# Altium PCB MotorBoard.PcbDoc (part 1 of 2) (continued)
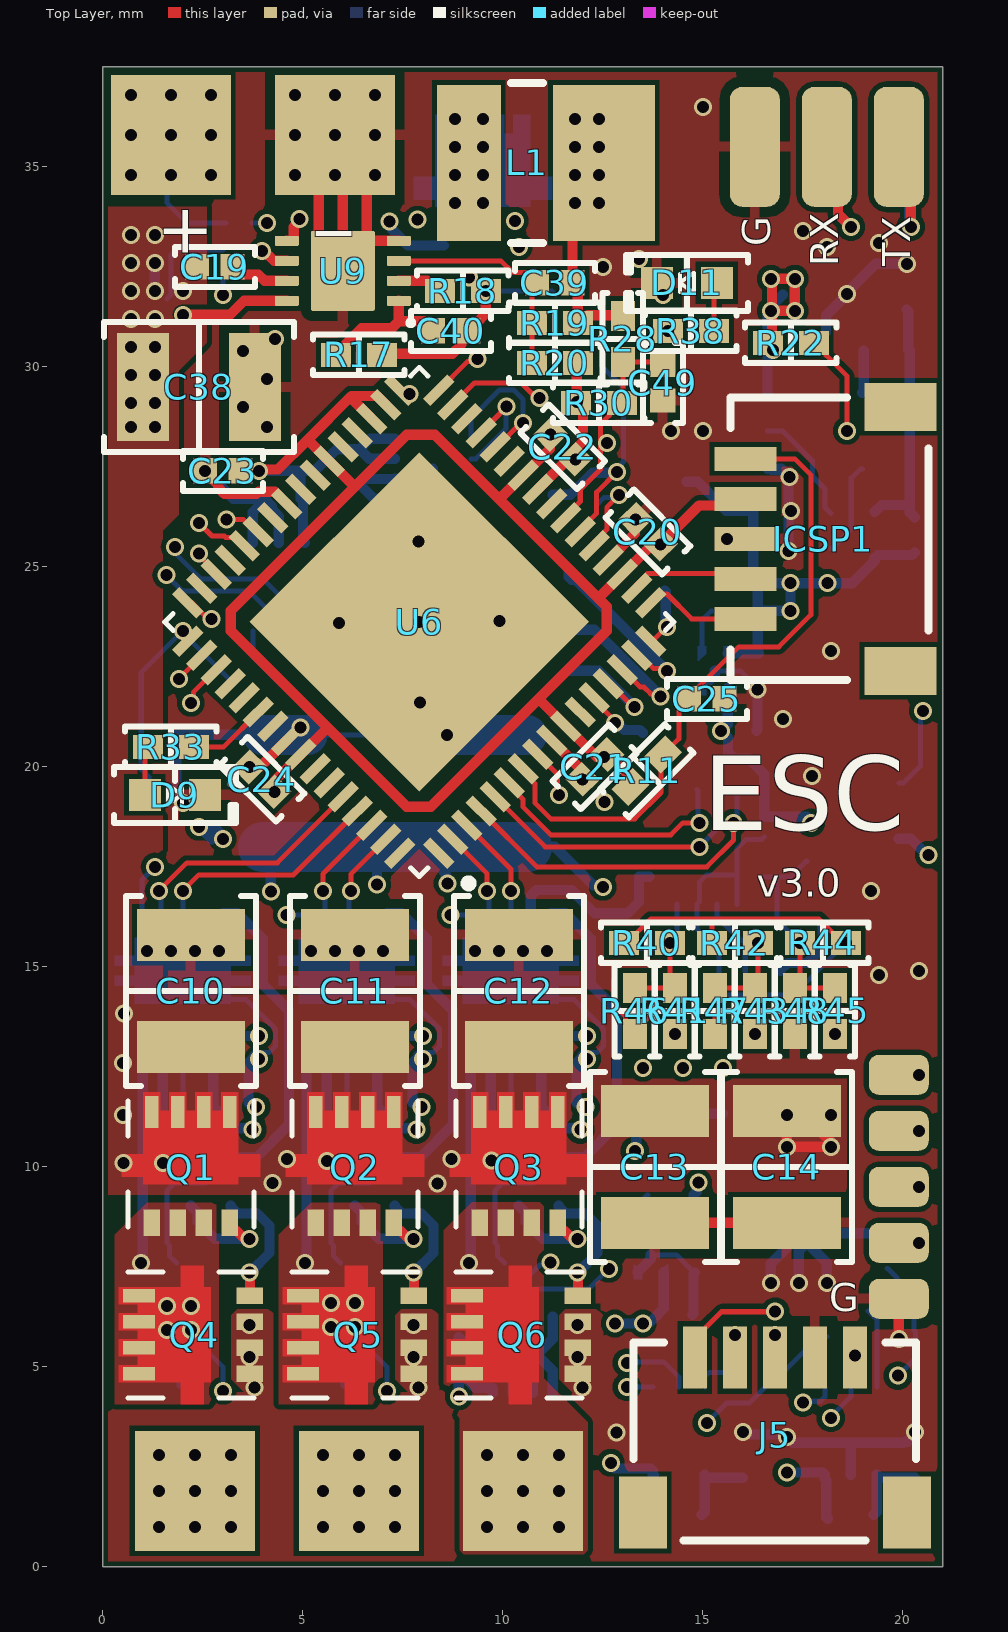
[diagram p0: Top Layer view]
## Layer stack, top to bottom (continued)

## Board outline
0,0 0,37.5 21,37.5 21,0

## Design rules (kind name [scope] priority, off if disabled: settings)
BoardOutlineClearance [((OnLayer('Top Overlay') = False) AND (OnLayer('Bottom Overlay') = False))] p1: gap=0.127 ignorepadtopadclearanceinfootprint=FALSE
Clearance "PolyGon Pour Clearance" [InPolygon] p1: gap=0.127 ignorepadtopadclearanceinfootprint=FALSE
Clearance [All] p2: gap=0.127 ignorepadtopadclearanceinfootprint=FALSE
HoleSize [All] p1: absolutevalues=TRUE maxlimit=50 minlimit=0.2 maxpercent=80.000 minpercent=20.000
HoleToHoleClearance [All] p1: gap=0.2 allowstackedmicrovias=TRUE
MinimumSolderMaskSliver [All] p1: minsoldermaskwidth=0.01
PlaneClearance [All] p1: clearance=0.127
PlaneConnect [All] p1: pad.planeconnectstyle=Direct pad.reliefexpansion=0.508 pad.reliefentries=4 pad.reliefconductorwidth=0.254 pad.reliefairgap=0.254 via.planeconnectstyle=Relief via.reliefexpansion=0.508 via.reliefentries=4 via.reliefconductorwidth=0.254 via.reliefairgap=0.254
PolygonConnect PolygonRelief [IsPolygon and not (IsNamedPolygon('PolygonDirect'))] p1: thpad.connectstyle=Relief thpad.reliefconductorwidth=0.254 thpad.reliefentries=4 thpad.polygonreliefangle="90 Angle" thpad.airgapwidth=0.254 smdpad.connectstyle=Relief smdpad.reliefconductorwidth=0.254 smdpad.reliefentries=4 smdpad.polygonreliefangle="90 Angle" smdpad.airgapwidth=0.254 via.connectstyle=Direct via.reliefconductorwidth=0.254 via.reliefentries=4 via.polygonreliefangle="90 Angle" via.airgapwidth=0.254
PolygonConnect PolygonDirect [All] p2: connectstyle=Direct reliefconductorwidth=0.254 reliefentries=4 polygonreliefangle="90 Angle" airgapwidth=0.254
RoutingVias [All] p1: holewidth=0.3 width=0.45 viastyle="Through Hole" minholewidth=0.3 minwidth=0.4 maxholewidth=0.5 maxwidth=10
SolderMaskExpansion SolderMaskExpansionVia [IsVia] p1: expansion=0.102 istentingtop=TRUE
SolderMaskExpansion [All] p2: expansion=0.102 istentingtop=FALSE
SupplyNets "Schematic Supply Nets_7" [InNet('VIN')] p1: voltage=0.000
SupplyNets "Schematic Supply Nets_5" [InNet('3V3_MCU')] p2: voltage=0.000
SupplyNets "Schematic Supply Nets_4" [InNet('5V')] p3: voltage=0.000
SupplyNets "Schematic Supply Nets_3" [InNet('12V')] p4: voltage=0.000
SupplyNets "Schematic Supply Nets_2" [InNet('GND')] p5: voltage=0.000
SupplyNets "Schematic Supply Nets_1" [InNet('3V3')] p6: voltage=0.000
SupplyNets "Schematic Supply Nets" [InNet('VBAT')] p7: voltage=0.000
Width [All] p1: maxlimit=2 minlimit=0.127 preferedwidth=0.254
25 further rules are at their usual default settings.

## Classes and differential pairs
component class U_Half_Bridges: C1 C2 C3 C4 C5 C6 C7 C8 C9 C18 C37 C42 C43 C44 C51 C52 Q1 Q2 Q3 Q4 Q5 Q6 R1 R2 R3 R4 R5 R6 R7 R8 R9 R10 R12 R13 R14 R15 R16 R32 R34 R40 R41 R42 R43 R44 R45 R46 R47 R48 U1 U2 U3 U7 U8

## Components (designator, comment, footprint, x,y, rotation, side; value= is the part's Value field where it differs from the comment)
C1 "0.1 µF" "CAP 0402_1005" 1.4,7.6 r0 bottom
C2 "1 µF" "CAP 0402_1005" 3.2,11.6 r0 bottom
C3 "0.1 µF" "CAP 0402_1005" 3.2,12.6 r0 bottom
C4 "0.1 µF" "CAP 0402_1005" 5.5,7.6 r0 bottom
C5 "1 µF" "CAP 0402_1005" 7.3,12.6 r0 bottom
C6 "0.1 µF" "CAP 0402_1005" 7.3,11.6 r0 bottom
C7 "0.1 µF" "CAP 0402_1005" 9.6,7.6 r0 bottom
C8 "1 µF" "CAP 0402_1005" 11.4,11.6 r0 bottom
C9 "0.1 µF" "CAP 0402_1005" 11.4,12.6 r0 bottom
C10 "100 µF" "CAP 1210_3225 - 1MM" 2.2,14.4 r270 top
C11 "100 µF" "CAP 1210_3225 - 1MM" 6.3,14.4 r270 top
C12 "100 µF" "CAP 1210_3225 - 1MM" 10.4,14.4 r270 top
C13 "100 µF" "CAP 1210_3225 - 1MM" 13.8,10 r90 top
C14 "100 µF" "CAP 1210_3225 - 1MM" 17.1,10 r90 top
C15 "100 µF" "CAP 1210_3225 - 1MM" 2.4,29.1 r180 bottom
C16 "0.1 µF" "CAP 0402_1005" 6.4,27.5 r90 bottom
C17 "0.1 µF" "CAP 0402_1005" 8.9,5.3 r270 bottom
C18 "0.1 µF" "CAP 0402_1005" 17.1,2.8 r90 bottom
C19 "0.1 µF" "CAP 0402_1005" 2.8,32.5 r0 top
C20 "0.1 µF" "CAP 0402_1005" 13.628,25.875 r315 top
C21 "0.1 µF" "CAP 0402_1005" 12.3,20 r45 top
C22 "0.1 µF" "CAP 0402_1005" 11.5,28 r135 top
C23 "0.1 µF" "CAP 0402_1005" 3,27.4 r0 top
C24 "0.1 µF" "CAP 0402_1005" 3.976,19.688 r315 top
C25 "0.1 µF" "CAP 0402_1005" 15.1,21.7 r0 top
C26 "1 µF" "CAP 0402_1005" 18.2,25.9 r90 bottom
C27 "47 pF" "CAP 0402_1005" 20.3,25.8 r270 bottom
C28 "1 µF" "CAP 0402_1005" 16.7,26.4 r180 bottom
C29 "22 µF" "CAP 0402_1005" 16.7,25.4 r180 bottom
C30 "22µF" "CAP 0805_2012" 17.8,31.8 r180 bottom
C31 "0.1 µF" "CAP 0402_1005" 17.2,30.4 r180 bottom
C32 "0.1 µF" "CAP 0402_1005" 16.4,22.4 r90 bottom
C33 "0.1 µF" "CAP 0402_1005" 15.9,20.9 r180 bottom
C34 "0.1 µF" "CAP 0402_1005" 14.8,7.8 r90 bottom
C35 "0.1 µF" "CAP 0402_1005" 14.3,6.3 r180 bottom
C36 "100 µF" "CAP 1210_3225 - 1MM" 17.6,9.5 r90 bottom
C37 "0.1 µF" "CAP 0402_1005" 12.8,2.9 r90 bottom
C38 "100 µF" "CAP 1210_3225 - 1MM" 2.4,29.5 r180 top
C39 "22pF" "CAP 0402_1005" 11.3,32.1 r0 top
C40 "1nF" "CAP 0402_1005" 8.7,30.9 r0 top
C41 "0.1 µF" "CAP 0402_1005" 17.6,19.2 r270 bottom
C42 "0.1 nF" "CAP 0402_1005" 13.1,15.9 r270 bottom
C43 "0.1 nF" "CAP 0402_1005" 16.5,14.9 r180 bottom
C44 "0.1 nF" "CAP 0402_1005" 17.6,17.2 r90 bottom
C45 "0.1 µF" "CAP 0402_1005" 11.9,29.8 r0 bottom
C46 "100 µF" "CAP 1210_3225 - 1MM" 10.6,19.4 r270 bottom
C47 "100 µF" "CAP 1210_3225 - 1MM" 7.3,19.4 r270 bottom
C48 "100 µF" "CAP 1210_3225 - 1MM" 4,19.4 r270 bottom
C49 "0.1 µF" "CAP 0402_1005" 14,29.6 r90 top
C50 "0.1 µF" "CAP 0402_1005" 4.5,26.7 r180 bottom
C51 "0.1 µF" "CAP 0402_1005" 18.1,6.2 r90 bottom
C52 "0.1 µF" "CAP 0402_1005" 19.6,7.9 r90 bottom
C53 "0.1 µF" "CAP 0402_1005" 1.4,20.8 r0 bottom
D1 "ESDLC3V3L-TP" 0402 12.2,28.7 r270 bottom
D2 "ESDLC3V3L-TP" 0402 10.9,26.8 r0 bottom
D3 "ESDLC3V3L-TP" 0402 12.4,26.25 r90 bottom
D4 "ESDLC3V3L-TP" 0402 13.5,20.5 r90 bottom
D5 "ESDLC3V3L-TP" 0402 13.7,24.4 r0 bottom
D6 "ESDLC3V3L-TP" 0402 11.3,24.9 r0 bottom
D7 "ESDLC3V3L-TP" 0402 11.3,23.6 r0 bottom
D8 "ESDLC3V3L-TP" 0402 11.3,22.4 r0 bottom
D9 "Blue" "LED 0603_1608 GREEN" 1.8,19.3 r0 top value=Green
D10 "ESDLC3V3L-TP" 0402 1.5,19.6 r180 bottom
D11 "Blue" "LED 0603_1608 GREEN" 14.6,32.1 r180 top value=Green
ICSP1 "SM05B-SRSS-TB(LF)(SN)" "JST SM05B-SRSS-TB" 18.1,25.7 r270 top
J5 "SM05B-SRSS-TB(LF)(SN)" "JST SM05B-SRSS-TB" 16.8,3.2 r180 top
L1 "100 µH" "TDK VLCF4028-2" 10.6,35.1 r0 top
L2 "4.7µH" "IND 1008_2520" 14.6,28.4 r270 bottom
Q1 "NVTFS5C680NL" NVTFS015N04CTAG 2.2,10.07 r90 top
Q2 "NVTFS5C680NL" NVTFS015N04CTAG 6.3,10.07 r90 top
Q3 "NVTFS5C680NL" NVTFS015N04CTAG 10.4,10.07 r90 top
Q4 "NVTFS5C680NL" NVTFS015N04CTAG 2.2,5.8 r180 top
Q5 "NVTFS5C680NL" NVTFS015N04CTAG 6.3,5.8 r180 top
Q6 "NVTFS5C680NL" NVTFS015N04CTAG 10.4,5.8 r180 top
Q7 "NVTFS5C680NL" NVTFS015N04CTAG 9.5,34.5 r90 bottom
R1 "10k" "RES 0402_1005" 18.7,1.3 r180 bottom
R2 "2R" "RES 0402_1005" 2.2,9.6 r90 bottom
R3 "10k" "RES 0402_1005" 13.5,11.9 r270 bottom
R4 "10k" "RES 0402_1005" 14.4,1.3 r180 bottom
R5 "15 mOhms" "RES 0805_2012" 1.9,5.4 r90 bottom
R6 "2R" "RES 0402_1005" 3.2,9.6 r90 bottom
R7 "2R" "RES 0402_1005" 6.3,9.6 r90 bottom
R8 "15 mOhms" "RES 0805_2012" 6,5.4 r90 bottom
R9 "10k" "RES 0402_1005" 14.5,11.9 r270 bottom
R10 "10k" "RES 0402_1005" 16,2.8 r270 bottom
R11 "10k" "RES 0402_1005" 13.6,19.9 r225 top
R12 "2R" "RES 0402_1005" 7.3,9.6 r90 bottom
R13 "2R" "RES 0402_1005" 10.4,9.6 r90 bottom
R14 "10k" "RES 0402_1005" 15.5,11.9 r270 bottom
R15 "2R" "RES 0402_1005" 11.4,9.6 r90 bottom
R16 "10k" "RES 0402_1005" 20.3,2.8 r270 bottom
R17 "10k" "RES 0402_1005" 6.4,30.3 r0 top
R18 "10k" "RES 0402_1005" 9,31.9 r180 top
R19 "10k" "RES 0402_1005" 11.3,31.1 r0 top
R20 "10k" "RES 0402_1005" 11.3,30.1 r180 top
R21 "40.2k" "RES 0402_1005" 19.3,25.8 r270 bottom
R22 "10k" "RES 0402_1005" 17.2,30.6 r0 top
R23 "75k" "RES 0402_1005" 19.6,30.4 r0 bottom
R24 "13k" "RES 0402_1005" 20.1,32 r270 bottom
R25 "10k" "RES 0402_1005" 15.8,23.9 r180 bottom
R26 "10k" "RES 0402_1005" 14.2,9.3 r180 bottom
R27 "33k" "RES 0402_1005" 11.9,31.8 r180 bottom
R28 "33k" "RES 0402_1005" 13,30.7 r90 top
R29 "4.7k" "RES 0402_1005" 11.9,30.8 r180 bottom
R30 "10k" "RES 0402_1005" 12.4,29.1 r180 top
R31 "39 mOhms" "RES 1206_3216" 1.6,33.1 r270 bottom
R32 "10k" "RES 0402_1005" 16.4,4.9 r0 bottom
R33 "2k" "RES 0402_1005" 1.7,20.5 r180 top
R34 "10k" "RES 0402_1005" 19.7,6.4 r0 bottom
R35 "10k" "RES 0402_1005" 3.8,22.2 r180 bottom
R36 "0R" "RES 0201_0603" 3.4,33.6 r180 bottom
R37 "0R" "RES 0201_0603" 3,32.6 r270 bottom
R38 "2k" "RES 0402_1005" 14.7,30.9 r0 top
R40 "33 kOhms" "RES 0402_1005" 13.6,15.6 r0 top
R41 "33 kOhms" "RES 0402_1005" 14.3,13.9 r270 top
R42 "33 kOhms" "RES 0402_1005" 15.8,15.6 r0 top
R43 "33 kOhms" "RES 0402_1005" 16.3,13.9 r270 top
R44 "33 kOhms" "RES 0402_1005" 18,15.6 r180 top
R45 "33 kOhms" "RES 0402_1005" 18.3,13.9 r270 top
R46 "10 kOhms" "RES 0402_1005" 13.3,13.9 r90 top
R47 "10 kOhms" "RES 0402_1005" 15.3,13.9 r90 top
R48 "10 kOhms" "RES 0402_1005" 17.3,13.9 r90 top
U1 "UCC27282" VSON-10 2,14.9 r90 bottom
U2 "UCC27282" VSON-10 6.1,14.9 r90 bottom
U3 "UCC27282" VSON-10 10.2,14.9 r90 bottom
U4 "TMP1075" 8_WSON_2x2_0.5mm 10.5,5.3 r270 bottom
U5 "TMP1075" 8_WSON_2x2_0.5mm 8.25,27.45 r180 bottom
U6 "PIC32MK0512MCF064" QFN50P900X900X100-65N 7.911,23.623 r135 top
U7 "INA185" "TI SC70-6 DCK" 14.4,3.4 r90 bottom
U8 "INA185" "TI SC70-6 DCK" 18.7,3.4 r90 bottom
U9 "LM25085" 8_WSON_3x3_0.5mm 6,32.4 r180 top
U10 "AP65211A" TSOT-26-6 17.8,28.4 r0 bottom
U11 "3.3V LDO" XDFN-4 15.3,22.4 r90 bottom
U12 "3.3V LDO" XDFN-4 13.7,7.8 r90 bottom
U13 "4x Comparator" QFN50P300X300X100-16N 15.1,18 r180 bottom
U14 "INA185" "TI SC70-6 DCK" 4.4,24.5 r270 bottom

## Footprints (in the part's own frame and the unit in brackets; to place one, negate y for a bottom-side part, rotate by r counter-clockwise, add the part's x,y. Pads: shape width x height; smd on the part's side, far side on the other; paste and mask are expansions set on the pad)
8_WSON_2x2_0.5mm [mm]
  rrect25% 0.5x0.25 smd: 1(-0.95,0.75) 2(-0.95,0.25) 3(-0.95,-0.25) 4(-0.95,-0.75) 5(0.95,-0.75) 6(0.95,-0.25) 7(0.95,0.25) 8(0.95,0.75)
  rrect5% 0.9x1.6 smd paste-2: 9(0,0)
  silkscreen extent -1.01,1.14 -0.89,1.26, body extent -1,-1 1,1, height 0.75
8_WSON_3x3_0.5mm [mm]
  rrect25% 0.6x0.25 smd: 1(-1.4,0.75) 2(-1.4,0.25) 3(-1.4,-0.25) 4(-1.4,-0.75) 5(1.4,-0.75) 6(1.4,-0.25) 7(1.4,0.25) 8(1.4,0.75)
  rrect5% 1.6x2 smd paste-2: 9(0,0)
  silkscreen extent -1.76,1.24 -1.64,1.36, body extent -1.5,-1.5 1.5,1.5, height 0.8
0402 [mm] "SODFL, 2-Leads, Body 0.675x1.075mm, IPC Medium Density"
  rect 0.4x0.7 smd: 1(-0.35,0) 2(0.35,0)
  silkscreen extent -0.8,-0.63 0.92,0.63, body extent -0.51,-0.31 0.5,0.3, height 0.45
"CAP 0402_1005" [mm] "Chip Capacitor, 2-Leads, Body 1.02x0.51mm, IPC Medium Density"
  rect 0.6x0.64 smd: 1(-0.44,0) 2(0.44,0)
  silkscreen extent -1,-0.5 1,0.5, body extent -0.5,-0.26 0.5,0.26, height 0.52
"CAP 0805_2012" [mm] "Chip Capacitor, 2-Leads, Body 2.00x1.20mm, IPC Medium Density"
  rect 1.3x1.4 smd: 1(-0.8,0) 2(0.8,0)
  silkscreen extent -1.7,-0.9 1.7,0.9, body extent -1,-0.64 1,0.64, height 1.26
"CAP 1210_3225 - 1MM" [mm] "Chip Capacitor, 2-Leads, Body 3.20x2.50mm, IPC Medium Density"
  rect 1.3x2.7 smd: 1(-1.4,0) 2(1.4,0)
  silkscreen extent -2.37,-1.63 2.37,1.63, body extent -1.6,-1.25 1.6,1.25, height 1
"IND 1008_2520" [mm] "Chip Inductance, 2-leads, Body 2.5x2.1mm, IPC Medium Density"
  rect 1.2x1.75 smd: 1(-1.275,0) 2(1.275,0)
  silkscreen extent -2.18,-1.22 2.2,1.22, body extent -1.3,-1.05 1.3,1.05, height 1
"JST SM05B-SRSS-TB" [mm] "1.0mm pitch/Disconnectable Crimp style connector"
  rect 0.6x1.55 smd: 1(-2,-2.032) 2(-1,-2.032) 3(0,-2.032) 4(1,-2.032) 5(2,-2.032)
  rect 1.2x1.8 smd: M(-3.3,1.843) M(3.3,1.843)
  silkscreen extent -3.53,-2.41 3.53,2.54, body extent -3.5,-2.38 3.5,2.57, height 2.95
"LED 0603_1608 GREEN" [mm] "Chip Diode, 2-Leads, Body 1.60x0.80mm, IPC Medium Density"
  rect 0.8x0.8 smd: 1(-0.75,0) 2(0.75,0)
  silkscreen extent -1.52,-0.7 1.52,0.7, body extent -0.8,-0.4 0.8,0.4, height 0.53
NVTFS015N04CTAG [mm]
  rect 0.66x0.42 smd: 1(-1.47,0.975) 2(-1.47,0.325) 3(-1.47,-0.325) 4(-1.47,-0.975)
  rect 0.8x0.34 smd: 5(1.3,-0.975) 6(1.3,-0.325) 7(1.3,0.325) 8(1.3,0.975)
  Top Layer region: -0.5,-1.185 -0.5,1.185 -0.32,1.185 -0.32,1.73 0.25,1.73 0.25,1.185 1.8,1.185 1.8,0.765 1.33,0.765 1.33,0.535 1.8,0.535 1.8,0.115 1.33,0.115 1.33,-0.115 1.8,-0.115 1.8,-0.535 1.33,-0.535 1.33,-0.765 1.8,-0.765 1.8,-1.185 0.25,-1.185 0.25,-1.73 -0.32,-1.73 -0.32,-1.185
  silkscreen extent -1.58,-1.58 1.58,1.58, body extent -1.7,-1.7 1.7,1.7, height 1.1
QFN50P300X300X100-16N [mm]
  rrect25% 0.84x0.26 smd: 1(-1.435,0.75) 2(-1.435,0.25) 3(-1.435,-0.25) 4(-1.435,-0.75) 9(1.435,-0.75) 10(1.435,-0.25) 11(1.435,0.25) 12(1.435,0.75)
  rrect25% 0.26x0.84 smd: 5(-0.75,-1.435) 6(-0.25,-1.435) 7(0.25,-1.435) 8(0.75,-1.435) 13(0.75,1.435) 14(0.25,1.435) 15(-0.25,1.435) 16(-0.75,1.435)
  silkscreen extent -2.1,-1.5 1.5,1.5, body extent -1.5,-1.5 1.5,1.5, height 1
QFN50P900X900X100-65N [mm]
  rect 0.86x0.26 smd: 1(-4.435,3.75) 2(-4.435,3.25) 3(-4.435,2.75) 4(-4.435,2.25) 5(-4.435,1.75) 6(-4.435,1.25) 7(-4.435,0.75) 8(-4.435,0.25) 9(-4.435,-0.25) 10(-4.435,-0.75) 11(-4.435,-1.25) 12(-4.435,-1.75) 13(-4.435,-2.25) 14(-4.435,-2.75) 15(-4.435,-3.25) 16(-4.435,-3.75) 33(4.435,-3.75) 34(4.435,-3.25) 35(4.435,-2.75) 36(4.435,-2.25) 37(4.435,-1.75) 38(4.435,-1.25) 39(4.435,-0.75) 40(4.435,-0.25) 41(4.435,0.25) 42(4.435,0.75) 43(4.435,1.25) 44(4.435,1.75) 45(4.435,2.25) 46(4.435,2.75) 47(4.435,3.25) 48(4.435,3.75)
  rect 0.26x0.86 smd: 17(-3.75,-4.435) 18(-3.25,-4.435) 19(-2.75,-4.435) 20(-2.25,-4.435) 21(-1.75,-4.435) 22(-1.25,-4.435) 23(-0.75,-4.435) 24(-0.25,-4.435) 25(0.25,-4.435) 26(0.75,-4.435) 27(1.25,-4.435) 28(1.75,-4.435) 29(2.25,-4.435) 30(2.75,-4.435) 31(3.25,-4.435) 32(3.75,-4.435) 49(3.75,4.435) 50(3.25,4.435) 51(2.75,4.435) 52(2.25,4.435) 53(1.75,4.435) 54(1.25,4.435) 55(0.75,4.435) 56(0.25,4.435) 57(-0.25,4.435) 58(-0.75,4.435) 59(-1.25,4.435) 60(-1.75,4.435) 61(-2.25,4.435) 62(-2.75,4.435) 63(-3.25,4.435) 64(-3.75,4.435)
  rect 6x6 smd: 65(0,0)
  silkscreen extent -5.59,-4.5 4.5,4.5, body extent -4.52,-4.52 4.52,4.52, height 0.9
"RES 0201_0603" [mm] "Chip Resistor, 2-Leads, Body 0.60x0.30mm, IPC Medium Density"
  rect 0.44x0.35 smd: 1(-0.325,0) 2(0.325,0)
  silkscreen extent -0.7,-0.33 0.7,0.33, body extent -0.3,-0.15 0.3,0.15, height 0.21
"RES 0402_1005" [mm] "Chip Resistor, 2-Leads, Body 1.0x0.5mm, IPC Medium Density"
  rect 0.75x0.6 smd: 1(-0.575,0) 2(0.575,0)
  silkscreen extent -1.14,-0.51 1.14,0.51, body extent -0.5,-0.25 0.5,0.25, height 0.35
"RES 0805_2012" [mm] "Chip Resistor, 2-Leads, Body 2.00x1.25mm, IPC Medium Density"
  rect 1.15x1.35 smd: 1(-0.875,0) 2(0.875,0)
  silkscreen extent -1.7,-0.9 1.7,0.9, body extent -1,-0.62 1,0.63, height 0.6
"RES 1206_3216" [mm] "Chip Resistor, 2-Leads, Body 3.13x1.55mm, IPC Medium Density"
  rect 1.2x1.65 smd: 1(-1.4,0) 2(1.4,0)
  silkscreen extent -2.3,-1.1 2.3,1.1, body extent -1.6,-0.8 1.6,0.8, height 0.6
"TDK VLCF4028-2" [mm] "Precision Wire Wound Inductor, 2-Leads, Body 4.00x4.00mm, IPC Medium Density"
  rect 1.6x3.9 smd: 1(-1.45,0) 2(1.45,0)
  silkscreen extent -0.4,-2 0.4,2, body extent -2.05,-2 2.05,2, height 2.81
"TI SC70-6 DCK" [mm] "SC70, 6-Leads, Body 2.00x2.10mm, Pitch 0.65mm, IPC Medium Density"
  rect 0.85x0.35 smd: 1(-1.1,0.65) 2(-1.1,0) 3(-1.1,-0.65) 4(1.1,-0.65) 5(1.1,0) 6(1.1,0.65)
  silkscreen extent -1.12,-0.9 0.3,1.43, body extent -1.06,-1 1.06,1, height 1.1
TSOT-26-6 [mm]
  rect 1.35x0.6 smd: 1(-1.185,0.95) 2(-1.185,0) 3(-1.185,-0.95) 4(1.185,-0.95) 5(1.185,0) 6(1.185,0.95)
  silkscreen extent -1.29,1.51 -1.11,1.69, body extent -1.2,-1.45 1.2,1.45, height 1
VSON-10 [mm]
  rrect25% 0.6x0.24 smd mask+0: 1(-1.4,1) 2(-1.4,0.5) 3(-1.4,0) 4(-1.4,-0.5) 5(-1.4,-1) 6(1.4,-1) 7(1.4,-0.5) 8(1.4,0) 9(1.4,0.5) 10(1.4,1)
  rrect5% 1.65x2.4 smd paste-2 mask+0: 11(0,0)
  Top Layer region: 0.375,1.2 0.825,1.2 0.825,-1.2 0.375,-1.2 0.375,-1.7 0.125,-1.7 0.125,-1.2 -0.125,-1.2 -0.125,-1.7 -0.375,-1.7 -0.375,-1.2 -0.825,-1.2 -0.825,1.2 -0.375,1.2 -0.375,1.7 -0.125,1.7 -0.125,1.2 0.125,1.2 0.125,1.7 0.375,1.7
  silkscreen extent -2.04,-1.5 1.5,1.6, body extent -1.5,-1.5 1.5,1.5, height 1
XDFN-4 [mil]
  round 1 smd mask+2.56: 1(-16.93,12.79) 2(-16.93,-12.79) 3(16.93,-12.79) 4(16.93,12.79)
  rect 18.9x18.9 smd rot 135 mask+2.56: 5(0,0)
  Top Layer region: -16.93,8.65 -9.84,15.75 -9.84,16.93 -24.02,16.93 -24.02,8.65
  Top Layer region: -16.93,-8.65 -9.84,-15.75 -9.84,-16.93 -24.02,-16.93 -24.02,-8.65
  Top Layer region: 16.93,8.65 9.84,15.75 9.84,16.93 24.02,16.93 24.02,8.65
  Top Layer region: 16.93,-8.65 9.84,-15.75 9.84,-16.93 24.02,-16.93 24.02,-8.65
  silkscreen extent -31,-20 20,20, body extent -20,-20 20,20, height 16

## Part data
C1 C3 C4 C6 C7 C9 C16 C17 C18 C19 C20 C21 C22 C23 C24 C25 C31 C32 C33 C34 C35 C37 C41 C45 C49 C50 C51 C52 C53: library part C0402C104K4RACAUTO, "CAP CER 0.1UF 16V X7R 0402", Device Package="0402 (1005 Metric)", Manufacturer=KEMET, Operating Temperature="-55°C ~ 125°C", Ratings=AEC-Q200, Supplier Part Number 1=399-6828-1-ND, Temperature Coefficient=X7R, Tolerance=±10%, Voltage - Rated=16V, Applications="Automotive, Bypass, Decoupling", Capacitance="0.1 µF", ComponentLink1Description=Datasheet, ComponentLink1URL=https://api.kemet.com/component-edge/download/specsheet/C0402C104K4RACAUTO.pdf, ComponentLink2Description="DigiKey Link", ComponentLink2URL=https://www.digikey.com/en/products/detail/kemet/C0402C104K4RACAUTO/3314827, LastUpdated="8/14/2022 9:05:51 PM", Lifecycle Status=Active, Minimum Order=1, Mounting Type="Surface Mount, MLCC", Package / Case="0402 (1005 Metric)", Packaging=TapeAndReel, Part Number=C0402C104K4RACAUTO, Part Status=Active, PartId=3024, Price=0.01, Series="SMD Auto X7R", Size / Dimension="0.039\" L x 0.020\" W (1.00mm x 0.50mm)", Supplier 1=DigiKey, Thickness (Max)="0.022\" (0.55mm)"
C2 C5 C8 C26 C27 C28 C29 C39 C40 C42 C43 C44: library part C0402C104K4RACAUTO, "CAP CER 0.1UF 16V X7R 0402", Capacitance="0.1 µF", Device Package="0402 (1005 Metric)", Manufacturer=KEMET, Operating Temperature="-55°C ~ 125°C", Ratings=AEC-Q200, Supplier Part Number 1=399-6828-1-ND, Temperature Coefficient=X7R, Tolerance=±10%, Voltage - Rated=16V, Applications="Automotive, Bypass, Decoupling", ComponentLink1Description=Datasheet, ComponentLink1URL=https://api.kemet.com/component-edge/download/specsheet/C0402C104K4RACAUTO.pdf, ComponentLink2Description="DigiKey Link", ComponentLink2URL=https://www.digikey.com/en/products/detail/kemet/C0402C104K4RACAUTO/3314827, LastUpdated="8/14/2022 9:05:51 PM", Lifecycle Status=Active, Minimum Order=1, Mounting Type="Surface Mount, MLCC", Package / Case="0402 (1005 Metric)", Packaging=TapeAndReel, Part Number=C0402C104K4RACAUTO, Part Status=Active, PartId=3024, Price=0.01, Series="SMD Auto X7R", Size / Dimension="0.039\" L x 0.020\" W (1.00mm x 0.50mm)", Supplier 1=DigiKey, Thickness (Max)="0.022\" (0.55mm)"
C10 C11 C12 C13 C14 C15 C36 C38 C46 C47 C48: library part MSASE32MAB5107MPNA01, "CAP CER 100UF 16V X5R 1210", Device Package="1210 (3225 Metric)", Manufacturer="Taiyo Yuden", Operating Temperature="-55°C ~ 85°C", Supplier Part Number 1=587-MSASE32MAB5107MPNA01CT-ND, Temperature Coefficient=X5R, Tolerance=±20%, Voltage - Rated=16V, Applications="SMPS Filtering", Capacitance="100 µF", ComponentLink1Description=Datasheet, ComponentLink1URL=https://mm.digikey.com/Volume0/opasdata/d220001/medias/docus/5731/MSR01_e.pdf, ComponentLink2Description="DigiKey Link", ComponentLink2URL=https://www.digikey.com/en/products/detail/taiyo-yuden/MSASE32MAB5107MPNA01/16664685, LastUpdated="6/4/2024 7:20:42 PM", Lifecycle Status=Active, Minimum Order=1, Mounting Type="Surface Mount, MLCC", Package / Case="1210 (3225 Metric)", Packaging=TapeAndReel, Part Number=MSASE32MAB5107MPNA01, PartId=58478, Price=0.66, Series=MSAS, Size / Dimension="0.126\" L x 0.098\" W (3.20mm x 2.50mm)", Supplier 1=DigiKey, Thickness (Max)="0.110\" (2.80mm)"
C30: library part C2012X7S1E106K125AC, "CAP CER 10UF 25V X7S 0805", Capacitance=10µF, Device Package="0805 (2012 Metric)", Manufacturer="TDK Corporation", Operating Temperature="-55°C ~ 125°C", Supplier Part Number 1=445-181600-1-ND, Temperature Coefficient=X7S, Tolerance=±10%, Voltage - Rated=25V, Applications="General Purpose", ComponentLink1Description=Datasheet, ComponentLink1URL=https://product.tdk.com/en/search/capacitor/ceramic/mlcc/info?part_no=C2012X7S1E106K125AC?ref_disty=digikey, ComponentLink2Description="DigiKey Link", ComponentLink2URL=http://digikey.com/product-detail/en/tdk-corporation/C2012X7S1E106K125AC/445-181600-1-ND/9991478, Features="Low ESL", LastUpdated="21-Jan-20 12:03:04 AM", Lifecycle Status=Active, Minimum Order=1, Mounting Type="Surface Mount, MLCC", Package / Case="0805 (2012 Metric)", Packaging=TapeAndReel, Part Number=C2012X7S1E106K125AC, Part Status=Active, PartId=3339, Price=0.15, Series=C, Size / Dimension="0.079\" L x 0.049\" W (2.00mm x 1.25mm)", Supplier 1=DigiKey, Thickness (Max)="0.057\" (1.45mm)"
D1 D2 D3 D4 D5 D6 D7 D8 D10: "TVS DIODE 3.3V 15V DFN1006-2", Capacitance @ Frequency="22pF @ 1MHz", Current - Peak Pulse (10/1000µs)="10A (8/20µs)", Device Package="0402 (1006 Metric)", Manufacturer="Micro Commercial Co", Operating Temperature="-55°C ~ 125°C (TJ)", Power - Peak Pulse=150W, Power Line Protection=No, Supplier Device Package=DFN1006-2, Supplier Part Number 1=ESDLC3V3L-TPMSCT-ND, Voltage - Clamping (Max) @ Ipp=15V, Voltage - Reverse Standoff (Typ)="3.3V (Max)", Applications="General Purpose", ComponentLink1Description=Datasheet, ComponentLink1URL=https://www.mccsemi.com/pdf/Products/ESDLC3V3L(DFN1006-2)-A.pdf, ComponentLink2Description="DigiKey Link", ComponentLink2URL=http://digikey.com/product-detail/en/micro-commercial-co/ESDLC3V3L-TP/ESDLC3V3L-TPMSCT-ND/7681669, LastUpdated="6/3/2024 8:22:51 PM", Lifecycle Status=Active, Minimum Order=1, Mounting Type="Surface Mount", Package / Case="0402 (1006 Metric)", Packaging=TapeAndReel, Part Number=ESDLC3V3L-TP, Part Status=Active, PartId=10373, Price=0.03, Series=-, Supplier 1=DigiKey, Type=Zener, Unidirectional Channels=1
D9 D11: library part XZCDGK53W-8VF, "Blue LED", Color=Green, Current - Test=2mA, Device Package="0603 (1608 Metric)", Lens Color=Colorless, Manufacturer=SunLED, Millicandela Rating=417mcd, Supplier Device Package=2-SMD, Supplier Part Number 1=1497-XZCDGK53W-8VFCT-ND, Voltage - Forward (Vf) (Typ)=2.65V, ComponentLink1Description=Datasheet, ComponentLink1URL=https://www.sunledusa.com/products/spec/XZCDGK53W-8VF.pdf, ComponentLink2Description="DigiKey Link", ComponentLink2URL=http://digikey.com/product-detail/en/sunled/XZCDGK53W-8VF/1497-XZCDGK53W-8VFCT-ND/10449792, Configuration=Independent, Height (Max)=1.10mm, LastUpdated="21-Jan-20 3:12:09 AM", Lens Size="0.35mm Dia", Lens Style="Round with Domed Top", Lens Transparency=Clear, Lifecycle Status=Active, Minimum Order=1, Mounting Type="Surface Mount", Package / Case="0603 (1608 Metric)", Packaging=Unknown, Part Number=XZCDGK53W-8VF, Part Status=Active, PartId=938, Price=0.18, Series="Ultra Low Current", Size / Dimension="1.60mm L x 0.80mm W", Supplier 1=DigiKey, Viewing Angle=60°, Wavelength - Dominant=525nm, Wavelength - Peak=515nm
ICSP1 J5: "CONN HEADER SMD R/A 5POS 1MM", Current Rating (Amps)=0.7A, Insulation Color=Natural, Manufacturer="JST Sales America Inc.", Material Flammability Rating="UL94 V-0", Operating Temperature="-25°C ~ 85°C", Supplier Part Number 1=455-1805-1-ND, Voltage Rating=50V, ComponentLink1Description=Datasheet, ComponentLink1URL=http://www.jst-mfg.com/product/pdf/eng/eSH.pdf, ComponentLink2Description="DigiKey Link", ComponentLink2URL=http://digikey.com/product-detail/en/jst-sales-america-inc/SM05B-SRSS-TB-LF-SN/455-1805-1-ND/926876, Connector Type=Header, Contact Finish - Mating=Tin, Contact Finish - Post=Tin, Contact Material="Copper Alloy", Contact Shape=Square, Contact Type="Male Pin", Fastening Type=Push-Pull, Features="Solder Retention", Insulation Height="0.114\" (2.90mm)", Insulation Material="Polyamide (PA), Nylon", LastUpdated="1/12/2020 11:42:04 PM", Lifecycle Status=Active, Minimum Order=1, Mounting Type="Surface Mount, Right Angle", Number of Positions=5, Number of Positions Loaded=All, Number of Rows=1, Packaging=TapeAndReel, Part Number=SM05B-SRSS-TB(LF)(SN), Part Status=Active, PartId=63, Pitch - Mating="0.039\" (1.00mm)", Price=0.32, Series=SR, Shrouding="Shrouded - 4 Wall", Style="Board to Cable/Wire", Supplier 1=DigiKey, Termination=Solder
L1: library part VLCF4028T-101MR33-2, "FIXED IND 100UH 330MA 1 OHM SMD", Current - Saturation=330mA, Current Rating (Amps)="330 mA", DC Resistance (DCR)="1Ohm Max", Device Package=Nonstandard, Inductance Frequency - Test="100 kHz", Manufacturer="TDK Corporation", Operating Temperature="-40°C ~ 105°C", Supplier Part Number 1=445-6542-1-ND, Tolerance=±20%, ComponentLink1Description=Datasheet, ComponentLink1URL=https://product.tdk.com/info/en/catalog/datasheets/inductor_commercial_power_vlcf4028-2_en.pdf?ref_disty=digikey, ComponentLink2Description="DigiKey Link", ComponentLink2URL=https://www.digikey.com/en/products/detail/tdk-corporation/VLCF4028T-101MR33-2/2465299, Height - Seated (Max)="0.110\" (2.80mm)", Inductance="100 µH", LastUpdated="6/3/2024 8:02:44 PM", Lifecycle Status=Active, Material - Core=Ferrite, Minimum Order=1, Mounting Type="Surface Mount", Package / Case=Nonstandard, Packaging=TapeAndReel, Part Number=VLCF4028T-101MR33-2, Part Status=Active, PartId=200, Price=0.30, Series=VLCF, Shielding=Shielded, Size / Dimension="0.157\" L x 0.157\" W (4.00mm x 4.00mm)", Supplier 1=DigiKey, Type="Drum Core, Wirewound"
L2: library part MLP2520S4R7ST0S1, "FIXED IND 4.7UH 1A 110 MOHM SMD", Current Rating (Amps)=1A, DC Resistance (DCR)="143mOhm Max", Device Package="1008 (2520 Metric)", Inductance Frequency - Test=2MHz, Manufacturer="TDK Corporation", Operating Temperature="-40°C ~ 125°C", Supplier Part Number 1=445-6378-1-ND, Tolerance=±20%, ComponentLink1Description=Datasheet, ComponentLink1URL=https://product.tdk.com/info/en/catalog/datasheets/inductor_commercial_power_mlp2520_en.pdf?ref_disty=digikey, ComponentLink2Description="DigiKey Link", ComponentLink2URL=http://digikey.com/product-detail/en/tdk-corporation/MLP2520S4R7ST0S1/445-6378-1-ND/2465705, Height - Seated (Max)="0.039\" (1.00mm)", Inductance=4.7µH, LastUpdated="13-Aug-20 11:03:40 AM", Lifecycle Status=Active, Material - Core=Ferrite, Minimum Order=1, Mounting Type="Surface Mount", Package / Case="1008 (2520 Metric)", Packaging=TapeAndReel, Part Number=MLP2520S4R7ST0S1, Part Status=Active, PartId=3467, Price=0.14, Series=MLP, Shielding=Shielded, Size / Dimension="0.098\" L x 0.079\" W (2.50mm x 2.00mm)", Supplier 1=DigiKey, Supplier Device Package="1008 (2520 Metric)", Type=Multilayer
Q1 Q2 Q3 Q4 Q5 Q6 Q7: "N-FET"
R1 R2 R3 R4 R6 R7 R9 R10 R11 R12 R13 R14 R15 R16 R17 R18 R19 R20 R21 R22 R23 R24 R25 R26 R27 R28 R29 R30 R32 R33 R34 R35 R38 R40 R41 R42 R43 R44 R45 R46 R47 R48: library part RK73H1ETTP1432F, "RES 14.3K OHM 1% 1/10W 0402", Device Package="0402 (1005 Metric)", Manufacturer="KOA Speer Electronics, Inc.", Operating Temperature="-55°C ~ 155°C", Power (Watts)="0.1W, 1/10W", Ratings=AEC-Q200, Resistance="14.3 kOhms", Supplier Device Package=0402, Supplier Part Number 1=2019-RK73H1ETTP1432FCT-ND, Temperature Coefficient=±100ppm/°C, Tolerance=±1%, ComponentLink1Description=Datasheet, ComponentLink1URL=http://www.koaspeer.com/catimages/Products/RK73H/RK73H.pdf, ComponentLink2Description="DigiKey Link", ComponentLink2URL=https://www.digikey.com/en/products/detail/koa-speer-electronics-inc/RK73H1ETTP1432F/9844351, Composition="Thick Film", Features="Automotive AEC-Q200, Moisture Resistant", Height - Seated (Max)="0.016\" (0.40mm)", LastUpdated="8/14/2022 9:23:49 PM", Lifecycle Status=Active, Minimum Order=1, Number of Terminations=2, Package / Case="0402 (1005 Metric)", Packaging=CutTape, Part Number=RK73H1ETTP1432F, Part Status=Active, PartId=10193, Price=0.01, Series=RK73H, Size / Dimension="0.039\" L x 0.020\" W (1.00mm x 0.50mm)", Supplier 1=DigiKey
R5 R8: library part PCAN0805E2002BST5, "RES SMD 20K OHM 0.1% 1W 0805", Device Package="0805 (2012 Metric)", Manufacturer="Vishay Thin Film", Operating Temperature="-55°C ~ 155°C", Power (Watts)=1W, Resistance="20 kOhms", Supplier Device Package=0805, Supplier Part Number 1=764-1242-1-ND, Temperature Coefficient=±25ppm/°C, Tolerance=±0.1%, ComponentLink1Description=Datasheet, ComponentLink1URL=http://www.vishay.com/docs/60125/pcan.pdf, ComponentLink2Description="DigiKey Link", ComponentLink2URL=http://digikey.com/product-detail/en/vishay-thin-film/PCAN0805E2002BST5/764-1242-1-ND/6003316, Composition="Thin Film", Features="Flame Proof, Moisture Resistant, Safety", Height - Seated (Max)="0.018\" (0.46mm)", LastUpdated="8/26/2022 12:02:22 PM", Lifecycle Status=Active, Minimum Order=1, Number of Terminations=2, Package / Case="0805 (2012 Metric)", Packaging=TapeAndReel, Part Number=PCAN0805E2002BST5, Part Status=Active, PartId=32096, Price=0.59, Series=PCAN, Size / Dimension="0.080\" L x 0.050\" W (2.03mm x 1.27mm)", Supplier 1=DigiKey
R31: library part KRL1632E-M-R039-F-T5, "RES 0.039 OHM 1% 3/4W 1206", Device Package="1206 (3216 Metric)", Manufacturer=Susumu, Operating Temperature="-55°C ~ 155°C", Power (Watts)="0.75W, 3/4W", Ratings=AEC-Q200, Supplier Device Package=1206, Supplier Part Number 1=408-1577-1-ND, Temperature Coefficient=±50ppm/°C, Tolerance=±1%, ComponentLink1Description=Datasheet, ComponentLink1URL=http://www.susumu.co.jp/common/pdf/n_catalog_partition09_en.pdf, ComponentLink2Description="DigiKey Link", ComponentLink2URL=https://www.digikey.com/en/products/detail/susumu/KRL1632E-M-R039-F-T5/3738003, Composition="Metal Foil", Features="Automotive AEC-Q200, Current Sense", Height - Seated (Max)="0.028\" (0.70mm)", LastUpdated="2/9/2024 8:54:46 PM", Lifecycle Status=Active, Minimum Order=1, Number of Terminations=2, Package / Case="1206 (3216 Metric)", Packaging=TapeAndReel, Part Number=KRL1632E-M-R039-F-T5, Part Status=Active, PartId=26838, Price=0.09, Resistance="39 mOhms", Series=KRL, Size / Dimension="0.126\" L x 0.063\" W (3.20mm x 1.60mm)", Supplier 1=DigiKey
R36 R37: library part CRG0201F10R, "RES SMD 10 OHM 1% 1/20W 0201", Device Package="0201 (0603 Metric)", Manufacturer="TE Connectivity Passive Product", Operating Temperature="-55°C ~ 155°C", Power (Watts)="0.05W, 1/20W", Resistance="10 Ohms", Supplier Device Package=0201, Supplier Part Number 1=A129573CT-ND, Temperature Coefficient=±400ppm/°C, Tolerance=±1%, ComponentLink1Description=Datasheet, ComponentLink1URL=https://www.te.com/commerce/DocumentDelivery/DDEController?Action=srchrtrv&DocNm=1773204&DocType=DS&DocLang=English, ComponentLink2Description="DigiKey Link", ComponentLink2URL=https://www.digikey.com/en/products/detail/te-connectivity-passive-product/CRG0201F10R/4489648, Composition="Thick Film", Height - Seated (Max)="0.010\" (0.26mm)", LastUpdated="6/4/2024 7:12:02 PM", Lifecycle Status=Active, Minimum Order=1, Number of Terminations=2, Package / Case="0201 (0603 Metric)", Packaging=TapeAndReel, Part Number=CRG0201F10R, Part Status=Active, PartId=3, Price=0.02, Series="CRG, Neohm", Size / Dimension="0.024\" L x 0.012\" W (0.60mm x 0.30mm)", Supplier 1=DigiKey
U1 U2 U3: library part UCC27282DRCR, "3-A, 120-V half bridge gate driver with 5-V UVLO, interlock and enable 10-VSON -40 to 125", Package="VSON-10 Texas Instruments", Availability=Warning, DigiKey-Purchase-URL=https://snapeda.com/shop?store=DigiKey&id=3625400, MF="Texas Instruments", MP=UCC27282DRCR, Price=None, SnapEDA_Link=https://www.snapeda.com/parts/UCC27282DRCR/Texas%20Instruments/view-part/3625400/?ref=snap, Texas_Instruments-Purchase-URL=https://snapeda.com/shop?store=Texas+Instruments&id=3625400
U4 U5: "I2C TEMP SENSOR"
U6: "PIC32MK Microcontroller IC 32-Bit 120MHz 1MB _1M x 8_ FLASH 64-TQFP _10x10_", Package="TQFP-64 Microchip", Digi-Key_Part_Number=PIC32MK1024MCF064-I/PT-ND, Digi-Key_Purchase_URL=https://www.digikey.kr/product-detail/en/microchip-technology/PIC32MK1024MCF064-I-PT/PIC32MK1024MCF064-I-PT-ND/7164902?utm_source=snapeda&utm_medium=aggregator&utm_campaign=symbol, MF=Microchip, MP=PIC32MK1024MCF064-I/PT, SnapEDA_Link=https://www.snapeda.com/parts/PIC32MK1024MCF064-I/PT/Microchip/view-part/876704/?ref=snap
U7 U8 U14: "INA185A2"
U9: "PFET Buck Controller"
U10: "ADJ step down Buck"
U11 U12: library part TLV74033PDQNR
U13: library part LM2901Q4T, "Comparator General Purpose CMOS, DTL, MOS, Open-Collector, TTL 16-QFN (3x3)"

## Free pads (board coordinates)
  rect 3x3 smd: 1(1.7,35.8) 1(5.8,35.8)
  rect 3x3 smd far side: 1(1.7,35.8) 1(5.8,35.8)
  rect 3x3 all layers, no hole: 1(2.3,1.9) 1(6.4,1.9) 1(10.5,1.9)
  rrect50% 1.25x3 smd: 1(16.3,35.5) 1(18.1,35.5) 1(19.9,35.5)
  rrect50% 1.25x3 smd far side: 1(16.3,35.5) 1(18.1,35.5) 1(19.9,35.5)
  rrect50% 1.5x1 smd: 1(19.9,6.7) 1(19.9,8.1) 1(19.9,9.5) 1(19.9,10.9) 1(19.9,12.3)
  rrect50% 1.5x1 smd far side: 1(19.9,16.8) 1(19.9,18.2) 1(19.9,19.6)
  rect 1.6x3.9 smd: 2(13,35.1)

## Via types
v1: diameter 0.45, hole 0.3, Top Layer to Bottom Layer, tented both sides, 301 vias

## Nets (pads, with @x,y where several pads share a name; then routed paths per layer and width w, separated by ;. In a path a pad name is that pad's centre, name@x,y a point inside that pad or via, vN(x,y) a via of type N, cw(c..) or ccw(c..) an arc to the next point about the centre after c; other vN are vias at no path point)
3V3: C17.2 C18.1 C35.2 C37.1 pad.1@19.9,8.1 R1.2 R4.2 U4.8 U7.3 U8.3 U12.1 | length 33
  Top Layer w0.254: pad.1@19.9,8.1 v1(20.4,8.1)
  Layer 4 w0.254: v1(8.9,4.263) 8.905,4.263 9.268,3.9 12.521,3.9 ; v1(12.7,2.6) 13.9,2.6 ; v1(20.4,8.1) 20.4,4.623 18.137,2.36 v1(17.1,2.36) 17.047,2.36 16.807,2.6 13.9,2.6 ; 12.521,3.9 13.9,3.9 ; 12.521,3.9 12.521,5.806 v1(12.8,6.084) v1(13.5,6.084) 13.5,6.031 13.9,5.631 13.9,3.9 ; 13.9,2.6 13.9,3.9
  Bottom Layer w0.254: v1(8.9,4.263) C17.2@8.9,4.86 8.92,4.86 9.307,4.473 9.748,4.473 9.75,4.471 U4.8@9.75,4.35 ; v1(12.7,2.6) 12.8,2.5 C37.1@12.8,2.46 13.702,2.46 13.75,2.412 U7.3@13.75,2.3 13.788,2.263 13.788,1.337 R4.2@13.825,1.3 ; v1(12.8,6.084) v1(13.5,6.084) 13.538,6.122 13.687,6.122 C35.2@13.86,6.295 ; C35.2@13.86,6.28 C35.2@13.86,6.295 ; U12.1@14.025,7.37 14.025,6.465 C35.2@13.86,6.3 ; v1(17.1,2.36) 18.002,2.36 18.05,2.312 U8.3@18.05,2.3 18.05,2.2 18.087,2.163 18.087,1.237 R1.2@18.125,1.2 ; C35.2@13.86,6.295 C35.2@13.86,6.3 ; C35.2@13.86,6.295 C35.2@13.86,6.3
3V3_MCU: C16.2 C20.2 C21.2 C22.2 C23.2 C24.2 C33.2 C41.2 C50.1 ICSP1.2 R11.2 U5.7 U5.8 U6.10 U6.19 U6.26 U6.34 U6.35 U6.38 U6.57 U11.1 U13.1 U14.3 | length 61.4
  Top Layer w0.254: C23.2@3.44,27.4 3.441,27.399 3.899,27.399 v1(3.9,27.398) ; v1@3.9,27.4 3.936,27.436 4.38,27.436 5.123,28.178 ; v1(4.287,19.377) 4.301,19.391 4.301,19.659 U6.57@4.951,20.31 5.6,20.959 5.6,21 ; U6.35@6.719,28.703 6.719,28.708 6.214,29.213 6.214,29.269 ; U6.34@7.073,29.057 6.861,29.269 6.214,29.269 ; v1(11.189,28.311) 11.175,28.297 11.175,27.947 U6.26@10.516,27.289 10.512,27.289 9.973,26.75 9.85,26.75 ; C21.2@12.348,20.246 v1(12.524,20.246) ; C21.2@12.436,20.335 12.398,20.297 12.302,20.297 11.581,21.017 U6.10@11.577,21.017 10.944,21.65 10.85,21.65 ; C21.2@12.611,20.246 12.696,20.246 13.199,19.743 13.199,19.499 R11.2@13.193,19.493 ; ICSP1.2@16.068,26.7 15.905,26.537 14.912,26.537 v1(13.939,25.564) 13.741,25.564 U6.19@12.991,24.814 12.4,24.223 12.4,24.2 ; 5.123,28.178 6.214,29.269 ; 5.123,28.178 U6.38@5.658,27.643 6.251,27.05 6.35,27.05 ; 5.6,21 7.6,19 8.2,19 10.85,21.65 ; 5.6,21 3.2,23.4 3.2,23.9 6.35,27.05 ; 6.35,27.05 7.6,28.3 8.3,28.3 9.85,26.75 ; 9.85,26.75 12.4,24.2 ; 10.85,21.65 12.6,23.4 12.6,24 12.4,24.2
  Layer 4 w0.254: v1(15.46,20.9) 15.46,20.847 15.558,20.749 15.558,20.742 v1(17.7,18.6)
  Bottom Layer w0.254: v1(3.9,27.398) 3.902,27.4 4.9,27.4 ; U14.3@5.05,25.6 5.002,25.648 5.002,26.638 C50.1@4.94,26.7 4.94,27.36 4.9,27.4 ; U5.7@7.3,27.7 6.66,27.7 C16.2@6.42,27.94 ; U5.8@7.3,28.2 6.68,28.2 C16.2@6.42,27.94 ; U11.1@15.625,21.97 15.625,21.065 v1(15.46,20.9) 15.633,20.727 15.633,20.352 15.782,20.204 16.148,20.204 16.535,19.817 U13.1@16.535,18.75 17.597,18.75 17.597,18.757 C41.2@17.6,18.76 ; 4.9,27.4 5.3,27.4 5.84,27.94 C16.2@6.4,27.94 C16.2@6.42,27.94
3V3LDO_EN: R26.2 U12.3 | length 1.2
  Bottom Layer w0.127: U12.3@13.375,8.23 13.375,9.063 13.612,9.3 R26.2@13.625,9.3
3V3MCU_EN: R25.2 U11.3 | length 1.2
  Bottom Layer w0.127: U11.3@14.975,22.83 14.975,23.664 15.212,23.9 R25.2@15.225,23.9
5V: C27.2 C28.2 C29.2 C32.2 C34.2 J5.1 L2.2 pad.1@19.9,18.2 R21.2 R25.1 R26.1 U11.4 U12.4 | length 47.4
  Top Layer w0.254: J5.1@18.8,5.232 v1(18.8,5.277)
  Layer 3 w0.254: v1(14.89,9.602) 16.275,9.602 18.8,7.077 v1(18.8,5.277)
  Layer 4 w0.254: 18.116,23.9 v1(17.195,23.9) v1(17.195,24.6) v1(18.116,24.6) v1@18.118,24.597 ; v1(18.8,5.277) 19.881,6.358 19.881,17.8 ; v1(20.648,17.8) 19.881,17.8 ; v1@18.118,24.597 18.815,23.9 ; v1@18.118,24.597 18.118,23.9 18.815,23.9 ; 18.815,23.9 19.881,22.834 19.881,17.8
  Bottom Layer w0.254: 14.015,8.22 U12.4@14.025,8.23 14.79,8.23 14.777,8.243 14.777,9.277 R26.1@14.765,9.29 ; L2.2@14.6,27.125 14.875,27.125 15.43,26.57 15.43,26.549 15.579,26.4 C28.2@16.26,26.4 C29.2@16.26,25.4 ; R26.1@14.775,9.3 14.852,9.377 14.852,9.564 v1(14.89,9.602) ; U11.4@15.625,22.83 15.635,22.84 C32.2@16.4,22.84 16.375,22.865 R25.1@16.375,23.9 ; C29.2@16.26,25.38 16.26,24.589 ; v1(17.195,24.6) v1@17.195,24.589 ; pad.1@19.9,18.2 20.199,18.2 20.599,17.8 v1(20.648,17.8) ; C27.2@20.3,25.36 20.232,25.292 19.367,25.292 R21.2@19.3,25.225 19.3,25.15 18.739,24.589 v1@17.195,24.589 ; 16.26,24.589 v1@17.195,24.589 ; 16.26,24.589 16.375,24.474 R25.1@16.375,23.9 ; R25.1@16.375,23.9 v1(17.195,23.9) v1@17.195,24.589
5VREG_BST: C26.1 U10.6 | length 2.3
  Bottom Layer w0.127: C26.1@18.2,25.46 18.22,25.46 18.711,25.95 18.711,27.213 18.947,27.45 U10.6@18.985,27.45
5VREG_EN: R22.2 U10.5 | length 2.6
  Top Layer w0.127: R22.2@17.775,30.6 17.85,30.6 18.087,30.364 18.087,30.288 18.6,29.775 v1(18.6,28.4)
5VREG_FB: R23.1 U10.4 | length 1.1
  Bottom Layer w0.254: U10.4@18.985,29.35 19.025,29.39 R23.1@19.025,30.4
5VREG_FB_R: C27.1 R21.1 R23.2 R24.2 | length 6.3
  Bottom Layer w0.127: R23.2@20.1,30.475 20.138,30.437 R23.2@20.175,30.4
  Bottom Layer w0.254: R21.1@19.3,26.375 19.47,26.545 20.175,26.545 ; R24.2@20.1,31.425 20.138,31.388 R23.2@20.138,30.437 ; R23.2@20.175,30.4 20.175,26.545 ; C27.1@20.3,26.24 20.175,26.365 20.175,26.545
5VREG_SW: C26.2 L2.1 U10.2 | length 2.9
  Bottom Layer w0.127: U10.2@16.615,28.4 16.99,28.4 17.743,27.647 17.743,27.257 18.057,26.943 18.057,26.483 C26.2@18.2,26.34
12V: C2.1 C3.1 C5.1 C6.1 C8.1 C9.1 C30.2 C31.2 C39.2 L1.2 pad.2 R3.2 R9.2 R14.2 R19.2 R22.1 R28.2 U1.1 U2.1 U3.1 U10.3 | length 27.7
  Top Layer w0.254: v1(11.8,34.1) 11.74,34.04 L1.2@11.74,33.965 ; L1.2@12.05,35.1 11.875,34.925 11.875,34.1 L1.2@11.74,33.965 ; R28.2@13,31.275 12.988,31.287 12.137,31.287 11.95,31.1 R19.2@11.875,31.1 11.875,31.965 C39.2@11.74,32.1 L1.2@11.74,33.965 ; v1(16.7,31.4) v1@16.73,31.4 ; v1(16.76,30.42) 16.73,30.45 v1@16.73,31.4 ; v1@16.73,31.4 16.73,32.17 v1(16.7,32.2) v1(17.3,32.2) v1(17.3,31.4) v1@16.73,31.4
  Bottom Layer w0.254: U1.1@3,13.5 3,13.18 ; v1(3.737,10.928) 3.7,10.966 3.295,10.966 2.76,11.501 C2.1@2.76,11.6 C3.1@2.76,12.6 2.76,12.62 3,12.86 3,13.18 ; v1(3.902,13.272) 3.092,13.272 3,13.18 ; U2.1@7.1,13.5 7.1,13.18 ; v1(7.837,10.928) 7.8,10.966 7.395,10.966 6.86,11.501 C6.1@6.86,11.6 C5.1@6.86,12.6 6.86,12.62 7.1,12.86 7.1,13.18 ; v1(8.002,13.272) 7.192,13.272 7.1,13.18 ; U3.1@11.2,13.5 11.2,13.18 ; v1(11.937,10.928) 11.9,10.966 11.495,10.966 10.96,11.501 10.96,12.62 11.2,12.86 11.2,13.18 ; v1(12.102,13.272) 11.292,13.272 11.2,13.18 ; v1(13.3,10.398) 13.338,10.436 13.338,11.162 R3.2@13.5,11.325 R9.2@14.5,11.325 R14.2@15.5,11.325 ; U10.3@16.615,29.35 16.615,31.415 C30.2@17,31.8
  other v1: 12.4,34.1 11.8,34.8 12.4,34.8 11.8,35.5 12.4,35.5 11.8,36.2 12.4,36.2
12VREG_ADJ: C40.1 R17.1 U9.1 | length 3.5
  Top Layer w0.254: R17.1@5.825,30.324 5.924,30.324 6.073,30.473 6.073,30.572 6.468,30.966 7.226,30.966 7.4,31.14 ; U9.1@7.4,31.65 7.4,31.14 ; C40.1@8.26,30.9 8.26,30.92 8.087,31.093 8.067,31.093 8.02,31.14 7.4,31.14
12VREG_FB: C39.1 R19.1 R20.2 U9.3 | length 5.8
  Top Layer w0.127: U9.3@7.4,32.65 9.95,32.65 10.232,32.368 10.306,32.368 10.318,32.357 10.624,32.357 10.86,32.12 C39.1@10.86,32.1 10.725,31.965 R20.2@10.725,30.1
12VREG_LX: L1.1 Q7.5 Q7.6 Q7.7 Q7.8 U9.5 | length 6.3
  Top Layer w0.254: U9.5@4.6,33.15 4.771,33.15 4.773,33.152 4.773,33.499 4.921,33.647 v1(4.921,33.7)
  Layer 3 w0.254: v1(4.921,33.7) 4.959,33.662 5.138,33.662 5.3,33.5 6.2,33.5 6.859,34.159 8.688,34.159 8.747,34.1 v1(8.8,34.1)
  Bottom Layer w0.254: v1(8.8,35.5) 8.827,35.527 9.132,35.527 9.175,35.57 Q7.6@9.175,35.8 ; v1(9.5,35.5) 9.527,35.527 9.782,35.527 9.825,35.57 Q7.7@9.825,35.8
  other v1: 9.5,34.1 8.8,34.8 9.5,34.8 8.8,36.2 9.5,36.2
12VREG_PGATE: Q7.4 U9.6 | length 5.9
  Top Layer w0.254: v1(3.985,32.893) 4.038,32.893 4.278,32.652 4.598,32.652 U9.6@4.6,32.65
  Layer 3 w0.254: v1(3.985,32.893) 3.992,32.9 6.442,32.9 v1(7.171,33.629)
  Bottom Layer w0.254: v1(7.171,33.629) 7.209,33.591 7.209,33.455 7.634,33.03 Q7.4@8.525,33.03
12VREG_RT: R18.2 U9.2 | length 1.1
  Top Layer w0.254: U9.2@7.4,32.15 8.1,32.15 8.35,31.9 R18.2@8.425,31.9
12VREG_VCC: C19.2 U9.7 | length 1.5
  Top Layer w0.254: C19.2@3.24,32.5 3.24,32.48 3.413,32.307 3.893,32.307 4.048,32.152 4.598,32.152 U9.7@4.6,32.15
COMP_OUT_U: U6.6 U13.14 | length 6.4
  Top Layer w0.127: U6.6@10.163,19.603 10.163,19.533 10.5,19.196 10.5,19 11.2,18.3 14.2,18.3 14.5,18.6 v1(14.915,18.6)
  Bottom Layer w0.127: U13.14@14.85,19.435 14.882,19.403 14.882,18.632 v1(14.915,18.6)